# Altium PCB nrf_ha_sensor.PcbDoc
Units mm, origin at the board's own origin, x right, y up, seen from the top; angles counter-clockwise.
Board outline 50 x 38 mm, 2 copper layers (Top Layer, Bottom Layer); 69 components, 87 nets, 275 pads, 142 vias.
Unrouted connection lines stored in the file: 31.
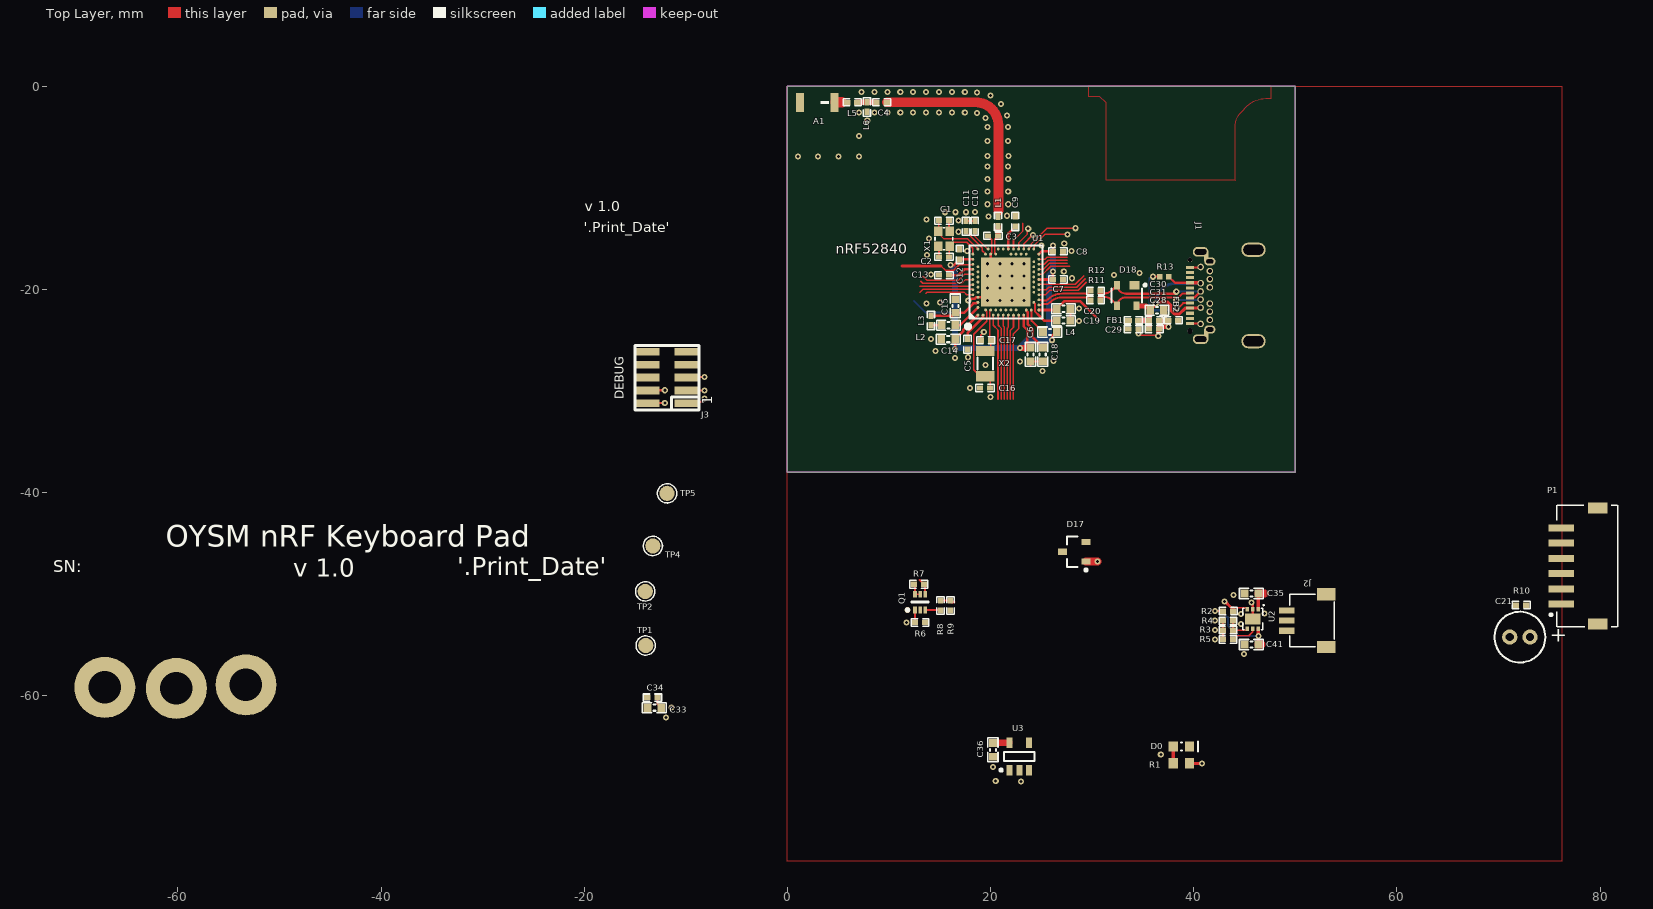
[diagram p0: Top Layer view]
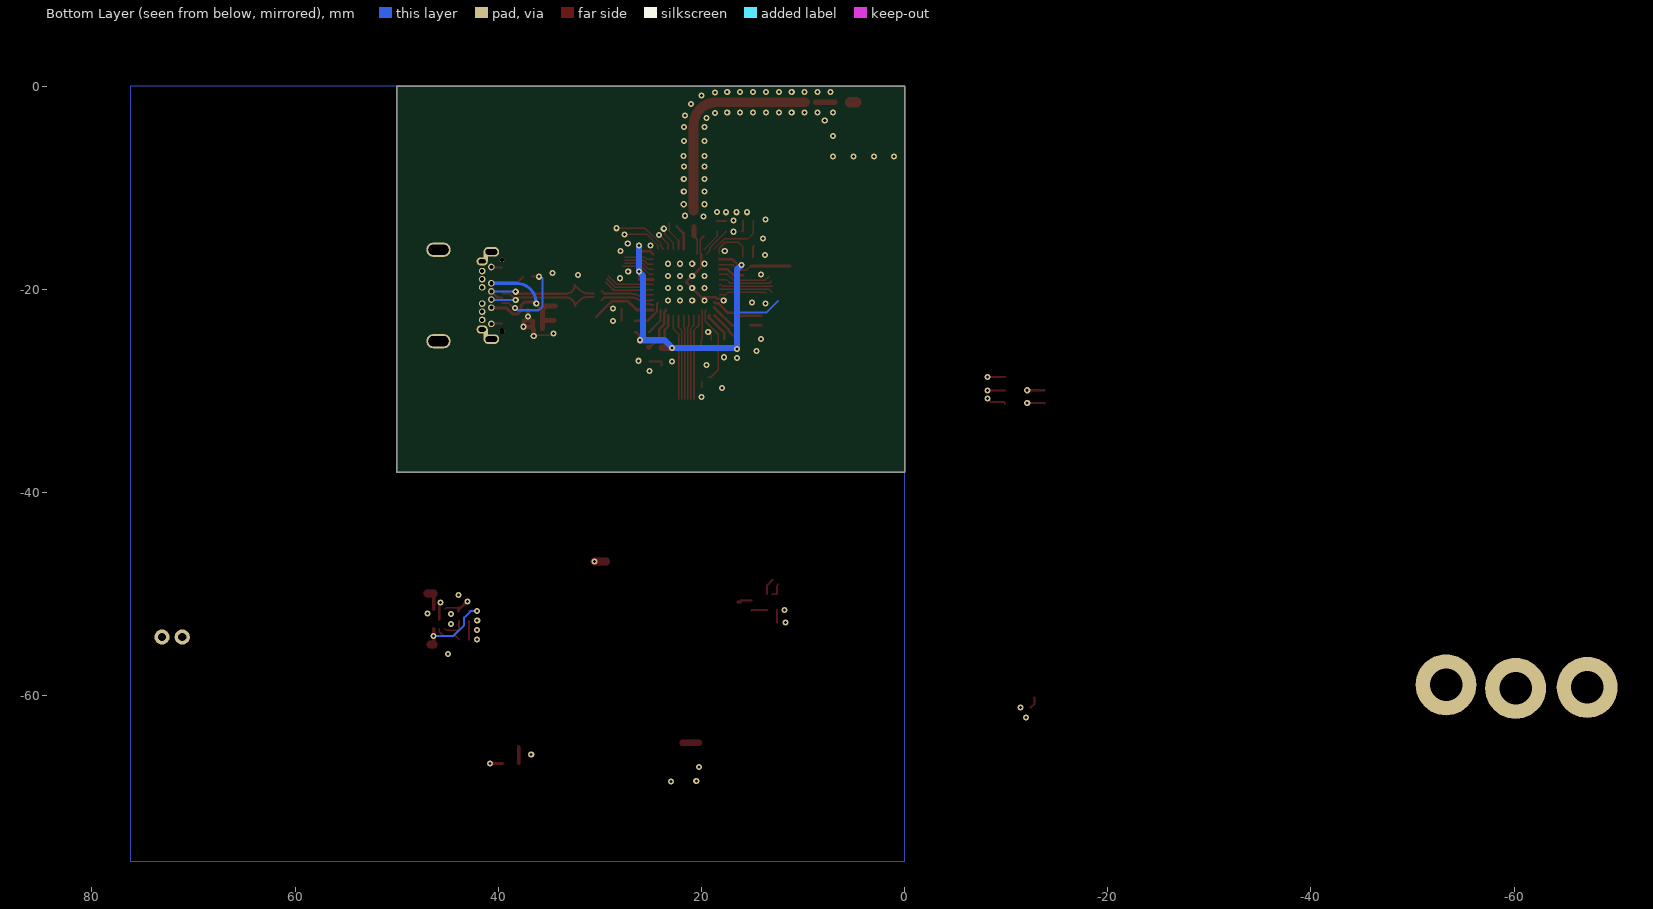
[diagram p1: Bottom Layer view, seen from below]

## Layer stack, top to bottom
Top Solder: solder mask 0.0102, Solder Resist, Dk 3.5
Top Layer: signal copper 0.0356
Dielectric2: core 0.32, FR-4, Dk 4.8
Bottom Layer: signal copper 0.0356
Bottom Solder: solder mask 0.0102, Solder Resist, Dk 3.5

## Board outline
0,-38 0,0 50,0 50,-38

## Design rules (kind name [scope] priority, off if disabled: settings)
Clearance ANT_Clerance [InNet('ANT')] p1: gap=0.127 ignorepadtopadclearanceinfootprint=FALSE except(0: Arc-Hole Track-Hole SMDPad-Hole THPad-Hole Via-Hole Fill-Hole Poly-Hole Region-Hole Text-Hole)
Clearance Polygon_Clearance [(InNamedPolygon('Top_Layer-GND')) or (InNamedPolygon('Bottom_Layer-GND')) or (InNamedPolygon('Mid-Layer_1-GND')) or (InNamedPolygon('Mid-Layer_2-VDD'))] p2: gap=0.254 ignorepadtopadclearanceinfootprint=FALSE except(0: Arc-Hole Track-Hole SMDPad-Hole THPad-Hole Via-Hole Fill-Hole Poly-Hole Region-Hole Text-Hole)
Clearance Fanout_Clearance [OnLayer('Top Layer')] p3: gap=0.145 ignorepadtopadclearanceinfootprint=FALSE except(0: Arc-Hole Track-Hole SMDPad-Hole THPad-Hole Via-Hole Fill-Hole Poly-Hole Region-Hole Text-Hole)
Clearance [All] p4: gap=0.15 ignorepadtopadclearanceinfootprint=FALSE except(0: Arc-Hole Track-Hole SMDPad-Hole THPad-Hole Via-Hole Fill-Hole Poly-Hole Region-Hole Text-Hole)
ComponentClearance [All] p1 off: gap=0.254 collisioncheckmode=3 verticalgap=0.254 showdistances=FALSE
DiffPairsRouting [All] p1: maxlimit=0.15 minlimit=0.15 mostfreqgap=0.15 toplayer_minwidth=0.2 toplayer_maxwidth=0.2 toplayer_prefwidth=0.2 bottomlayer_minwidth=0.2 bottomlayer_maxwidth=0.2 bottomlayer_prefwidth=0.2 maxuncoupledlength=12.7
FabricationTestPointUsage TestPointUsage [All] p1: valid=0 allowmultiple=FALSE
FabricationTestpoint Testpoint [All] p1: side=3 testpointundercomponent=TRUE minsize=1.016 maxsize=2.54 preferedsize=1.524 minholesize=0 maxholesize=1.016 preferedholesize=0.813 testpointgrid=0.025 allowsidetop=TRUE allowsidebottom=TRUE usegrid=TRUE gridtolerance=0
Height [All] p1 off: minheight=0 maxheight=25.4 prefheight=12.7
HoleSize HoleSize_Blind_via [IsVia] p1: absolutevalues=TRUE maxlimit=0.3 minlimit=0.15 maxpercent=80.000 minpercent=20.000
HoleSize [All] p2: absolutevalues=TRUE maxlimit=30 minlimit=0.3 maxpercent=80.000 minpercent=20.000
MinimumAnnularRing [All] p1 off: minimumring=0.152
PolygonConnect PolygonConnect_via_gnd [isVia and innet(gnd)] p1: connectstyle=Direct reliefconductorwidth=0.254 reliefentries=4 polygonreliefangle="90 Angle" airgapwidth=0.254
PolygonConnect PolygonConnect_666 [innet(gnd) and HasPad('Free-666')] p2: connectstyle=Direct reliefconductorwidth=0.254 reliefentries=4 polygonreliefangle="90 Angle" airgapwidth=0.254
PolygonConnect PolygonConnect_USB_C_GND [innet('NetFB2_1')] p3: connectstyle=Direct reliefconductorwidth=0.254 reliefentries=4 polygonreliefangle="90 Angle" airgapwidth=0.254
PolygonConnect [All] p4: connectstyle=Relief reliefconductorwidth=0.254 reliefentries=4 polygonreliefangle="90 Angle" airgapwidth=0.254
RoutingVias [All] p1: holewidth=0.305 width=0.61 viastyle="Through Hole" minholewidth=0.3 minwidth=0.6 maxholewidth=0.711 maxwidth=1.27
SilkToSolderMaskClearance SilkscreenOverComponentPads [IsPad] p1: minsilkscreentomaskgap=0.254 clearancetoexposedcopper=TRUE
SolderMaskExpansion [All] p1: expansion=0.076
Width Fanout_Width [OnLayer('Top Layer')] p1: maxlimit=2.54 minlimit=0.145 preferedwidth=0.2
Width [All] p2: maxlimit=2.54 minlimit=0.15 preferedwidth=0.2
23 further rules are at their usual default settings.

## Classes and differential pairs
component class PARTICLE: C21 P1 R10
component class Power: C33 C34 C35 C36 C41 D0 D17 J2 Q1 R1 R2 R3 R4 R5 R6 R7 R8 R9 TP1 TP2 TP4 TP5 U2 U3
component class MCU: A1 C1 C2 C3 C4 C5 C6 C7 C8 C9 C10 C11 C12 C13 C14 C15 C16 C17 C18 C19 C20 J3 L1 L2 L3 L4 L5 L6 U1 X1 X2
component class USB: C28 C29 C30 C31 C? D18 FB1 FB2 J1 R11 R12 R13 R?
differential pair D: +D_P -D_N
differential pair D*: +D*_P -D*_N

## Components (designator, comment, footprint, x,y, rotation, side; value= is the part's Value field where it differs from the comment)
A1 "2450AT18B100" 2450AT18B100 2.925,-1.6 r180 top
C1 "12pF" CAPC1005X04L 15.405,-13.236 r0 top
C2 "12pF" CAPC1005X04L 15.405,-16.792 r180 top
C3 "0.8pF" CAPC1005X04L 20.225,-14.723 r0 top
C4 "2.2pF" CAPC1005X04L 9.276,-1.58 r0 top
C5 "100nF" CAPC1005X04L 17.725,-25.4 r270 top
C6 "4.7µF" CAPC1608X06L 23.925,-26.4 r270 top
C7 "100nF" CAPC1005X04L 26.625,-19.025 r0 top
C8 "100nF" CAPC1005X04L 26.625,-16.25 r0 top
C9 "N.C." CAPC1005X04L 22.425,-13.3 r90 top
C10 "N.C." CAPC1005X04L 18.45,-13.775 r270 top
C11 "100pF" CAPC1005X04L 17.575,-13.775 r90 top
C12 "100nF" CAPC1005X04L 16.95,-16.55 r90 top
C13 "N.C." CAPC1005X04L 15.4,-18.6 r180 top
C14 "1.0µF" CAPC1608X06L 15.825,-24.9 r180 top
C15 "1.0µF" CAPC1608X06L 16.525,-21.625 r270 top
C16 "12pF" CAPC1005X04L 19.45,-29.702 r0 top
C17 "12pF" CAPC1005X04L 19.525,-25 r0 top
C18 "4.7µF" CAPC1608X06L 25.125,-26.4 r270 top
C19 "4.7µF" CAPC1608X06L 27.175,-23.075 r0 top
C20 "4.7µF" CAPC1608X06L 27.175,-21.9 r0 top
C21 "220µF" CAPPR200-500X1100 72.1,-54.225 r180 top
C28 "10nF" CAPC1005X04L 36.1,-23.9 r180 top
C29 "100nF" CAPC1005X04L 34.05,-23.9 r180 top
C30 "10µF" CAPC1608X06L 36.375,-22.05 r180 top
C31 "100nF" CAPC1005X04L 36.1,-23.05 r180 top
C33 "10µF" CAPC1608X06L -13.1,-61.175 r0 top
C34 "100nF" CAPC1005X04L -13.3,-60.175 r0 top
C35 "1.0µF" CAPC1608X06L 45.671,-49.931 r0 top
C36 "10µF" CAPC1608X06L 20.225,-65.325 r90 top
C41 "1.0µF" CAPC1608X06L 45.671,-54.961 r0 top
D0 "SMD LED Red" I_LEDC0603(1608)_N 38.775,-65 r0 top
D17 "PMEG4005CT" SOT95P230X110-3N 28.225,-45.825 r180 top
D18 "PRTR5V0U2X" SOT190P230X110-4L 33.405,-20.6 r270 top
FB1 "120R/0.55A" INDC1005X04L 34.05,-23.05 r180 top
FB2 "120R/0.55A" INDC1005X04L 37.975,-23.05 r180 top
J1 "USB_TYPE_C" USB_TYPE_C_JST 39.625,-17.095 r90 top
J2 "HDR-3, 1mm" SM03B-SRSS-TB 49.15,-52.6 r90 top
J3 "Pin Header 2x5, 1.27mm" HDR_2x5-SMD-1.27mm-K -11.85,-28.675 r90 top
L1 "3.3nH" INDC1005X04L 20.733,-13.301 r90 top
L2 "10µH" INDC1608X06L 15.85,-23.525 r0 top
L3 "15nH" INDC1005X04L 14.125,-23.05 r270 top
L4 "10µH" INDC1608X06L 25.825,-24.2 r180 top
L5 "3.9nH" INDC1005X04L 6.376,-1.58 r180 top
L6 "N.C." INDC1005X04L 7.826,-2.055 r270 top
P1 "Value" S6B-ZR-SM4A-TF 76.175,-47.225 r90 top
Q1 "DMC2400UV" SOTFL50P162X60-6N 13.056,-50.778 r90 top
R1 "1k" RESC0603(1608)_N 38.775,-66.65 r0 top
R2 "10k" RESC1005X04L#1 43.385,-51.67 r0 top
R3 "27k" RESC1005X04L#1 43.359,-53.538 r180 top
R4 "15k" RESC1005X04L#1 43.359,-52.624 r180 top
R5 "10k" RESC1005X04L#1 43.359,-54.453 r180 top
R6 "1M0" RESC1005X04L#1 13.05,-52.775 r180 top
R7 "1M0" RESC1005X04L#1 12.929,-49.025 r180 top
R8 "1M5" RESC1005X04L#1 15.075,-51.111 r90 top
R9 "180k" RESC1005X04L#1 16.04,-51.111 r270 top
R10 "150R" RESC1005X04L#2 72.225,-51.075 r0 top
R11 "39R" RESC1005X04L#1 30.325,-21.05 r0 top
R12 "39R" RESC1005X04L#1 30.325,-20.15 r0 top
R13 "56k" RESC0402(1005)_L 37.1,-18.75 r180 top
TP1 "Ø1.5mm,SMD" TP_SMD_Ø1.5mm -13.95,-55.05 r0 top
TP2 "Ø1.5mm,SMD" TP_SMD_Ø1.5mm -14,-49.725 r0 top
TP4 "Ø1.5mm,SMD" TP_SMD_Ø1.5mm -13.25,-45.25 r0 top
TP5 "Ø1.5mm,SMD" TP_SMD_Ø1.5mm -11.85,-40.075 r0 top
U1 "nRF52840-QIAA" AQFN50P700X700X85_HS-74N 21.5,-19.275 r90 top locked
U2 "XC6804A4E1" USP-6EL 45.798,-52.446 r270 top
U3 "TCK106AF" SOT95P280X140-5N 22.825,-65.975 r90 top
X1 "32MHz" BT-XTAL_2016 15.405,-15.014 r270 top
X2 "32.768kHz" XTAL_3215 19.475,-27.302 r90 top

## Footprints (in the part's own frame and the unit in brackets; to place one, negate y for a bottom-side part, rotate by r counter-clockwise, add the part's x,y. Pads: shape width x height; smd on the part's side, far side on the other; paste and mask are expansions set on the pad)
2450AT18B100 [mm] "2450MHz Antenna"
  rect 0.8x1.85 smd: 1(-1.7,0) 2(1.7,0)
  Multi-Layer pour cut-out: -3.71,-4.94 -3.71,4.93 6.09,4.93 6.09,-4.94
  silkscreen extent -1.18,-0.14 -0.34,0.13, body extent -1.7,-0.9 1.7,0.9, height 1.4
AQFN50P700X700X85_HS-74N [mm] "AQFN, 73-Leads, Body 7.00x7.00mm, Pitch 0.50mm, Thermal Pad 4.95x4.95mm, IPC Medium Density"
  rect 4.85x4.85 smd mask+0.05: 74(0,0)
  round 0.275 smd paste+0.012 mask+0.05: A8(-1.25,3.25) A10(-0.75,3.25) A12(-0.25,3.25) A14(0.25,3.25) A16(0.75,3.25) A18(1.25,3.25) A20(1.75,3.25) A22(2.25,3.25) A23(2.75,3.25) AA24(3.25,-2.25) AB2(-2.75,-2.5) AC5(-2,-2.75) AC9(-1,-2.75) AC11(-0.5,-2.75) AC13(0,-2.75) AC15(0.5,-2.75) AC17(1,-2.75) AC19(1.5,-2.75) AC21(2,-2.75) AC24(3.25,-2.75) AD2(-2.75,-3.25) AD4(-2.25,-3.25) AD6(-1.75,-3.25) AD8(-1.25,-3.25) AD10(-0.75,-3.25) AD12(-0.25,-3.25) AD14(0.25,-3.25) AD16(0.75,-3.25) AD18(1.25,-3.25) AD20(1.75,-3.25) AD22(2.25,-3.25) AD23(2.75,-3.25) B1(-3.25,2.75) B3(-2.5,2.75) B5(-2,2.75) B7(-1.5,2.75) B9(-1,2.75) B11(-0.5,2.75) B13(0,2.75) B15(0.5,2.75) B17(1,2.75) B19(1.5,2.75) B24(3.25,2.75) C1(-3.25,2.25) D2(-2.75,2) D23(2.75,2) E24(3.25,1.75) F2(-2.75,1.5) F23(2.75,1.5) G1(-3.25,1.25) H2(-2.75,1) H23(2.75,1) J1(-3.25,0.75) J24(3.25,0.75) K2(-2.75,0.5) L1(-3.25,0.25) L24(3.25,0.25) M2(-2.75,0) N1(-3.25,-0.25) N24(3.25,-0.25) P2(-2.75,-0.5) P23(2.75,-0.5) R1(-3.25,-0.75) R24(3.25,-0.75) T2(-2.75,-1) T23(2.75,-1) U1(-3.25,-1.25) U24(3.25,-1.25) V23(2.75,-1.5) W1(-3.25,-1.75) W24(3.25,-1.75) Y2(-2.75,-2) Y23(2.75,-2)
  silkscreen extent -4.57,-3.6 3.6,3.92, body extent -3.55,-3.55 3.55,3.55, height 0.85
BT-XTAL_2016 [mm] "Crystal 2.0 x 1.6 mm"
  rect 0.95x0.85 smd: 1(-0.725,-0.575) 2(0.725,-0.575) 3(0.725,0.575) 4(-0.725,0.575)
  silkscreen extent -1.08,-0.88 1.08,0.88, body extent -1.05,-0.85 1.05,0.85, height 0.56
CAPC1005X04L [mm] "Chip Capacitor, 2-Leads, Body 1.0x0.5mm, IPC High Density"
  rect 0.6x0.5 smd: 1(-0.5,0) 2(0.5,0)
  silkscreen extent -0.9,-0.35 0.9,0.35, body extent -0.51,-0.25 0.51,0.25, height 0.5
CAPC1608X06L [mm] "Chip Capacitor, 2-Leads, Body 1.6x0.8mm, IPC High Density"
  rect 0.75x0.8 smd: 1(-0.675,0) 2(0.675,0)
  silkscreen extent -1.17,-0.5 1.17,0.5, body extent -0.8,-0.43 0.8,0.43, height 0.8
CAPPR200-500X1100 [mm] "Through hole aluminum electrolytic capacitor, Ø=5mm, lead spacing 2mm +/-0.5mm"
  round 1.5 hole 0.8: 1(1,0) 2(-1,0)
  silkscreen extent -2.5,-2.5 2.5,2.5, body extent -2.5,-2.5 2.49,2.5, height 11.01
HDR_2x5-SMD-1.27mm-K [mm] "SMT MICRO HEADER, (1,27) .050\" Keying Shroud"
  rect 0.76x2.4 smd: 1(-2.54,-1.95) 2(-2.54,1.95) 3(-1.27,-1.95) 4(-1.27,1.95) 5(0,-1.95) 6(0,1.95) 7(1.27,-1.95) 8(1.27,1.95) 9(2.54,-1.95) 10(2.54,1.95)
  silkscreen extent -3.18,-3.15 3.18,3.15, body extent -3.14,-2.92 3.14,2.92, height 6.11
I_LEDC0603(1608)_N [mm] "Chip Resistor, Body 1.6x0.8mm, IPC Medium Density"
  rect 0.9x1 smd: 1(-0.8,0) 2(0.8,0)
  silkscreen extent -0.05,-0.51 1.65,0.51, body extent -0.85,-0.45 0.85,0.45, height 0.9
INDC1005X04L [mm] "Chip Inductor, 2-Leads, Body 1.0x0.5mm, IPC High Density"
  rect 0.65x0.5 smd: 1(-0.475,0) 2(0.475,0)
  silkscreen extent -0.9,-0.35 0.9,0.35, body extent -0.5,-0.3 0.5,0.3, height 0.5
INDC1608X06L [mm] "Chip Inductor, 2-Leads, Body 1.6x0.8mm, IPC High Density"
  rect 0.75x0.8 smd: 1(-0.675,0) 2(0.675,0)
  silkscreen extent -1.17,-0.5 1.17,0.5, body extent -0.8,-0.48 0.8,0.47, height 0.8
RESC0402(1005)_L [mm] "Chip Resistor, 2-Leads, Body 1,00x0,50mm, IPC Medium Density"
  rect 0.55x0.55 smd: 1(-0.45,0) 2(0.45,0)
  body extent -0.53,-0.27 0.53,0.28, height 0.37
RESC0603(1608)_N [mm] "Chip Resistor, Body 1.6x0.8mm, IPC Medium Density"
  rect 0.9x1 smd: 1(-0.8,0) 2(0.8,0)
  body extent -0.85,-0.47 0.85,0.47, height 0.6
RESC1005X04L#1 [mm] "Chip Resistor, 2-Leads, Body 1.0x0.5mm, IPC High Density"
  rect 0.6x0.55 smd: 1(-0.5,0) 2(0.5,0)
  silkscreen extent -0.87,-0.38 0.88,0.38, body extent -0.5,-0.25 0.5,0.25, height 0.3
RESC1005X04L#2 [mm] "Chip Resistor, 2-Leads, Body 1.0x0.5mm, IPC High Density"
  rect 0.6x0.55 smd mask+0.05: 1(-0.5,0) 2(0.5,0)
  silkscreen extent -0.87,-0.38 0.88,0.38, body extent -0.5,-0.25 0.5,0.25, height 0.3
S6B-ZR-SM4A-TF [mm] "*JST_S6B-ZR-SM4A-TF(LF)(SN)_S6B-ZR-SM4A-TF(LF)(SN)(Primary)"
  rect 0.7x2.5 smd: 1(-3.75,0) 2(-2.25,0) 3(-0.75,0) 4(0.75,0) 5(2.25,0) 6(3.75,0)
  rect 1.1x1.9 smd: SH1(-5.7,-3.6) SH2(5.7,-3.6)
  silkscreen extent -6,-5.55 6,1.12, body extent -6,-5.59 6,0.91, height 3.7
SM03B-SRSS-TB [mm] "JST, SH connector, side entry SMD, 1mm pitch"
  rect 1.2x1.8 smd: 0(-2.6,-3.875) 0(2.6,-3.875)
  rect 0.6x1.55 smd: 1(-1,0) 2(0,0) 3(1,0)
  silkscreen extent -2.57,-4.68 2.58,-0.3, body extent -2.5,-4.61 2.5,0.34, height 2.95
SOT95P230X110-3N [mm] "SOT23, 3-Leads, Body 2,90x2,30mm, Pitch 0,95mm, IPC Medium Density"
  rect 0.9x0.6 smd: 1(-1.15,0.95) 2(-1.15,-0.95) 3(1.15,0)
  silkscreen extent -1.28,-1.5 0.7,1.92, body extent -1.3,-1.5 1.3,1.5, height 1.1
SOT95P280X140-5N [mm] "SOT23, 5-Leads, Body 2,90x2,80mm, Pitch 0,95mm, IPC Medium Density"
  rect 1x0.6 smd: 1(-1.35,0.95) 2(-1.35,0) 3(-1.35,-0.95) 4(1.35,-0.95) 5(1.35,0.95)
  silkscreen extent -1.47,-1.5 0.45,1.92, body extent -1.5,-1.55 1.5,1.55, height 1.4
SOT190P230X110-4L [mm] "SOT143, 4-Leads, Body 3.0x2.5mm (max), Pitch 1.90mm, IPC High Density"
  rect 0.85x1 smd: 1(-1.025,0.75)
  rect 0.85x0.6 smd: 2(-1.025,-0.95) 3(1.025,-0.95) 4(1.025,0.95)
  silkscreen extent -1.15,-1.5 0.7,1.93, body extent -1.21,-1.46 1.21,1.46, height 1
SOTFL50P162X60-6N [mm] "SOTFL, 6-Leads, Body 1.60x1.63mm, Pitch 0.50mm, IPC Medium Density"
  rect 0.65x0.35 smd: 1(-0.775,0.5) 2(-0.775,0) 3(-0.775,-0.5) 4(0.775,-0.5) 5(0.775,0) 6(0.775,0.5)
  silkscreen extent -0.9,-0.85 0.05,1.35, body extent -0.81,-0.85 0.81,0.85, height 0.6
TP_SMD_Ø1.5mm [mm]
  round 1.5 smd paste-5: 1(0,0)
  silkscreen extent -0.95,-0.95 0.95,0.95
USB_TYPE_C_JST [mm]
  oval 0.95x1.55 hole 0.55 slot 1.15 at 90 deg: 0(-7.795,-1.05) ""(0.795,-1.05)
  oval 1.4x0.42 all layers, no hole: 0(-7.36,-1.61) 0(0.36,-1.61)
  oval 0.8x1.1 hole 0.4 slot 0.7 at 90 deg: 0(-6.85,-1.95) ""(-0.15,-1.95)
  rect 0.3x0.8 smd: 1(-6.25,0) 2(-5.75,0) 3(-5.25,0) 4(-4.75,0) 5(-4.25,0) 6(-3.75,0) 7(-3.25,0) 8(-2.75,0) 9(-2.25,0) 10(-1.75,0) 11(-1.25,0) 12(-0.75,0)
  round 0.65 hole 0.4: 13(-0.7,-1.05) 14(-1.1,-1.95) 15(-1.9,-1.95) 16(-2.3,-1.05) 17(-2.7,-1.95) 18(-3.1,-1.05) 19(-3.9,-1.05) 20(-4.3,-1.95) 21(-4.7,-1.05) 22(-5.1,-1.95) 23(-5.9,-1.95) 24(-6.3,-1.05)
  oval 1.4x2.4 hole 1 slot 2 at 90 deg: ""(-8,-6.25) ""(1,-6.25)
  oval 0.55x0.45 hole 0.45 slot 0.55 at 0 deg: ""(-7,0)
  round 0.45 hole 0.45: ""(0,0)
  body extent -8.39,-8.36 1.29,0.44, height 3.46
USP-6EL [mm] "DFN, 6-Leads, Body 2.00x1.80mm, Pitch 0.55mm, Thermal Pad 1.10x1.50mm, IPC Medium Density"
  rect 0.45x0.35 smd paste-0.05: 1(-0.975,0.55) 2(-0.975,0) 3(-0.975,-0.55) 4(0.975,-0.55) 5(0.975,0) 6(0.975,0.55)
  rect 1.1x1.5 smd paste-2: 7(0,0)
  silkscreen extent -1.42,-0.97 1.07,1.13, body extent -0.92,-1.02 0.93,1.03, height 0.4
XTAL_3215 [mm] "XTAL SMD 3.2 x 1.5 mm"
  rect 1x1.8 smd: 1(-1.25,0) 2(1.25,0)
  silkscreen extent -0.6,-0.75 0.6,0.75, body extent -1.6,-0.75 1.6,0.75, height 0.81

## Part data
A1: library part "Johanson 2450AT18B100", "2.45 GHz chip antenna", Manufacturer="Johanson Technology", Part number IPS=00000007781, Supplier Part Number 1=712-1006-1-ND, Artikkelnr Noca=N.A., ComponentLink1Description=Datasheet, ComponentLink2Description="Supplier link", Footprint Doc=2450AT18B100, HelpURL=http://www.johansontechnology.com/datasheets/antennas/2450AT18B100.pdf, LatestRevisionDate=2013-09-13, Manufacturer Part Number=2450AT18B100, Part Number="Johanson 2450AT18B100", Pin Count=2, Published=2013-09-13, Publisher="Nordic Semiconductor", Supplier 1=Digi-Key
C1 C2 C16 C17: library part C0402-12p, "Capacitor, NP0, ±2%", Part number IPS=00000002398, Artikkelnr Noca=20029159, Artikkelnr Simpro=N.A., Footprint Doc=0402, LatestRevisionDate=2011-05-11, Note=50V, Part Number=C0402-12p, Pin Count=2, Published=2009-05-08, Publisher="Nordic Semiconductor"
C3: library part C0402-0.8p, "Capacitor, NP0, ±5%", Artikkelnr Noca=20029147, Artikkelnr Simpro=N.A., Footprint Doc=0402, LatestRevisionDate=2012-11-21, Note=50V, Part Number=C0402-0.8p, Pin Count=2, Published=2009-05-08, Publisher="Nordic Semiconductor"
C4: library part C0402-2.2p, "Capacitor, NP0, ±0.1pF", Part number IPS=00000003105, Supplier Part Number 1=490-8092-1-ND, Artikkelnr Noca=20029145, ComponentLink1Description=Datasheet, ComponentLink2Description="Supplier link", Footprint Doc=0402, LatestRevisionDate=2017-02-23, Note=50V, Part Number=C0402-2.2p, Pin Count=2, Published=2009-05-08, Publisher="Nordic Semiconductor", Supplier 1=Digi-Key
C5 C7 C8 C12 C29 C31 C34: library part C0402-100n, "Capacitor, X7R, ±10%", Part number IPS=00000005296, Artikkelnr Noca=20039200, Footprint Doc=0402, LatestRevisionDate=2009-11-23, Note=16V, Part Number=C0402-100n, Pin Count=2, Published=2009-05-08, Publisher="Nordic Semiconductor"
  C5 C7 C8 C12 C29 C31: Artikkelnr Simpro=N.A.
  C34: ComponentLink1Description=Datasheet, ComponentLink2Description="Supplier link"
C6: library part C0603-4µ7-6.3V-X7R, "Capacitor, X7R, ±10%, 6.3V", Manufacturer=Samsung, Manufacturer Part Number=CL10B475KQ8NQNC, Supplier part number=1276-2087-1-ND, Artikkelnr Noca=20039473, Artikkelnr Simpro=N.A., Datasheet=http://media.digikey.com/pdf/Data%20Sheets/Samsung%20PDFs/CL10B475KQ8NQNC_Spec.pdf, Footprint Doc=0603, LatestRevisionDate=2015-06-10, Note=6.3V, Part Number=C0603-4µ7-6.3V-X7R, Pin Count=2, Published=2015-06-10, Publisher="Nordic Semiconductor", Supplier=Digi-Key
C9 C10 C13: library part C0402-N.C., "Not mounted", Artikkelnr Noca=N.A., Artikkelnr Simpro=N.A., Assembly="Not mounted", Footprint Doc=0402, LatestRevisionDate=2009-05-08, Note="Chip Cap", Part Number=C0402-N.C., Pin Count=2, Published=2009-05-08, Publisher="Nordic Semiconductor"
C11: library part C0402-100p, "Capacitor, NP0, ±5%", Part number IPS=00000002361, Artikkelnr Noca=20029135, Artikkelnr Simpro=N.A., Footprint Doc=0402, LatestRevisionDate=2009-05-08, Note=50V, Part Number=C0402-100p, Pin Count=2, Published=2009-05-08, Publisher="Nordic Semiconductor"
C14 C15 C35 C41: library part C0603-1µ0, "Capacitor, X7R, ±10%", Part number IPS=00000000616, Footprint Doc=0603, LatestRevisionDate=2013-06-05, Note=16V, Part Number=C0603-1µ0, Pin Count=2, Published=2009-05-08, Publisher="Nordic Semiconductor"
  C14 C15: Artikkelnr Noca=20039335, Artikkelnr Simpro=N.A.
  C35 C41: Artikkelnr Noca=20039282, ComponentLink1Description=Datasheet, ComponentLink2Description="Supplier link"
C18 C19 C20: library part C0603-4µ7, "Capacitor, X5R, ±10%", Artikkelnr Noca=20069060, Artikkelnr Simpro=N.A., Footprint Doc=0603, LatestRevisionDate=2009-11-23, Note=6.3V, Part Number=C0603-4µ7, Pin Count=2, Published=2009-05-08, Publisher="Nordic Semiconductor"
C21: library part Cap-Electrolyt-47µF/25V, "Capacitor, Radial Aluminum Electrolytic, ±20%", Manufacturer=Multicomp, Manufacturer Part Number=MCGPR25V476M5X11, Part number IPS=N.A., Supplier Part Number 1=945-1170, Artikkelnr Noca=N.A., ComponentLink1Description=Datasheet, ComponentLink2Description="Supplier link", Footprint Doc=CAPPR200-500X1100, HelpURL=http://www.farnell.com/datasheets/1571287.pdf, LatestRevisionDate=2013-06-05, Note=25V, Part Number=Cap-Electrolyt-47µF/25V, Pin Count=2, Published=2009-10-09, Publisher="Nordic Semiconductor", Supplier 1=Farnell
C28: library part C0402-10n, "Capacitor, X7R, ±10%", Part number IPS=00000002386, Artikkelnr Noca=20039166, Artikkelnr Simpro=N.A., Footprint Doc=0402, LatestRevisionDate=2009-11-23, Note=16V, Part Number=C0402-10n, Pin Count=2, Published=2009-05-08, Publisher="Nordic Semiconductor"
C30: library part C0603-10µ, "Capacitor, X5R, ±20%", Part number IPS=00000003029, Artikkelnr Noca=20039234, Artikkelnr Simpro=N.A., Footprint Doc=0603, LatestRevisionDate=2011-01-17, Note=6.3V, Part Number=C0603-10µ, Pin Count=2, Published=2011-01-17, Publisher="Nordic Semiconductor"
C33 C36: library part C0603-10µ, "Capacitor, X5R, ±20%", Part number IPS=00000007785, Artikkelnr Noca=20039234, ComponentLink1Description=Datasheet, ComponentLink2Description="Supplier link", Footprint Doc=0603, LatestRevisionDate=2011-01-17, Note=6.3V, Part Number=C0603-10µ, Pin Count=2, Published=2011-01-17, Publisher="Nordic Semiconductor"
D0: library part 5143, "SMD", antall=50, dybde=2, hylle=6, id=5143, komponenttype=9, lager_type=Fremlager, leverandor=Farnell, leverandor_varenr=8554641, navn="SMD LED Red", nokkelord=SMD, pakke_opprettet="06/07/2014 18:55:44", pakke_opprettet_av=815, pakketype=0603, pris=1, produsent=Avago, rad=0, rom=OV, symbol_opprettet="06/07/2014 18:59:47", symbol_opprettet_av=815
D18: "Ultra low capacitance double rail-to-rail ESD protection diode", 2nd source part number=152-4157, Manufacturer=NXP, Supplier part number=568-4140-1-ND, 2nd source Supplier=Farnell, Artikkelnr Noca=10069015, Artikkelnr Simpro=N.A., Datasheet=http://www.farnell.com/datasheets/109718.pdf, Footprint Doc=SOT-143B, LatestRevisionDate=2012-06-11, Manufacturer Part Number=PRTR5V0U2X, Part Number=PRTR5V0U2X, Published=2012-06-11, Publisher="Nordic Semiconductor", Supplier=Digi-Key
FB1 FB2: library part FB0402-120R@100M-500mA, "Ferrite Bead, 120 Ohm @ 100MHz, 500mA, 250 mOhm Max", 2nd source part number=151-5760, Manufacturer=Murata, Manufacturer Part Number=BLM15AG121SN1D, Supplier part number=490-1005-1-ND, 2nd source Supplier=Farnell, Artikkelnr Noca=33029317, Artikkelnr Simpro=N.A., Datasheet=http://search.murata.co.jp/Ceramy/image/img/PDF/ENG/L0110S0100BLM15A_SN.pdf, Footprint Doc=0402, LatestRevisionDate=2014-01-10, Note="Chip EMIFIL Inductor Type Chip Ferrite Bead", Part Number=FB0402-120R@100M-500mA, Pin Count=2, Published=2011-11-14, Publisher="Nordic Semiconductor", Supplier=Digi-Key